# Allegro board SG2042_EVB_V2_0.brd (continued)
## Routing (per net, layer and track width the routed paths; a pad name or vN(x,y) marks a point on that pad's centre or on a via; arc(x,y) is an arc through that point) (continued)
DDR2_DM4_P: length 45.4
  TOP w0.173: U1.BJ4 v1(91.75,200.05)
  ART14 w0.122: v1(91.75,200.05) 91.53,199.83 91.53,199.69 91.28,199.44 88.08,199.44 87.48,198.84 87.13,198.84 87.1,198.81 87.07,198.81
  ART14 w0.135: J3.99 51.66,195.17 arc(51.75,194.98) 51.88,194.82 52.18,194.52 arc(52.6,194.24) 53.09,194.14 53.16,194.14 arc(53.67,194.25) 54.12,194.54 54.28,194.71 arc(54.6,194.92) 54.98,194.99 55.1,194.99 arc(55.58,195.09) 55.98,195.36 56.12,195.5 arc(56.5,195.76) 56.95,195.84 57.82,195.84 arc(58.37,195.95) 58.84,196.26 58.92,196.35 arc(59.3,196.61) 59.75,196.69 60.62,196.69 arc(61.07,196.61) 61.45,196.35 61.56,196.24 arc(62,195.95) 62.52,195.84 62.55,195.84 arc(63.07,195.95) 63.51,196.24 63.64,196.37 arc(64,196.61) 64.42,196.69 64.45,196.69 arc(64.87,196.61) 65.23,196.37 65.39,196.21 arc(65.8,195.94) 66.27,195.84 72.08,195.84 75.06,198.81 87.07,198.81
DDR2_DM5_N: length 49.2
  TOP w0.173: U1.BT3 v1(90.75,193.05)
  ART14 w0.122: 89.36,191.66 89.36,191.7 90.36,192.69 90.36,193.33 90.47,193.44 90.63,193.44 90.75,193.32 v1(90.75,193.05)
  ART14 w0.135: J3.111 52.15,185.67 arc(52.34,185.65) 52.52,185.64 53.12,185.64 arc(53.67,185.75) 54.14,186.06 54.25,186.17 arc(54.6,186.41) 55.02,186.49 55.05,186.49 arc(55.47,186.41) 55.83,186.17 55.94,186.06 arc(56.4,185.75) 56.95,185.64 57.82,185.64 arc(58.37,185.75) 58.84,186.06 58.92,186.15 arc(59.3,186.41) 59.75,186.49 60.62,186.49 arc(61.07,186.41) 61.45,186.15 61.56,186.04 arc(62,185.75) 62.52,185.64 62.55,185.64 arc(63.07,185.75) 63.51,186.04 63.64,186.17 arc(64,186.41) 64.42,186.49 64.45,186.49 arc(64.87,186.41) 65.23,186.17 65.39,186.01 arc(65.8,185.74) 66.27,185.64 68.33,185.64 68.62,185.93 68.62,186.83 68.75,186.96 69.38,186.96 69.51,186.83 69.51,185.93 69.8,185.64 70.98,185.64 71.97,186.64 71.97,187.04 71.56,187.46 71.56,187.65 72,188.09 72.19,188.09 72.6,187.68 73.01,187.68 75.35,190.02 87.72,190.02 89.36,191.66
DDR2_DM5_P: length 49.1
  TOP w0.173: U1.BR3 v1(90.75,194.05)
  ART14 w0.122: 89.18,191.85 89.22,191.85 90.14,192.77 90.14,193.41 90.39,193.66 90.55,193.66 90.75,193.85 v1(90.75,194.05)
  ART14 w0.135: 89.18,191.85 87.61,190.28 75.24,190.28 72.9,187.94 72.71,187.94 72.3,188.35 71.89,188.35 71.3,187.75 71.3,187.35 71.71,186.93 71.71,186.74 70.87,185.91 69.91,185.91 69.77,186.04 69.77,186.94 69.49,187.22 68.64,187.22 68.35,186.94 68.35,186.04 68.22,185.91 66.27,185.91 arc(65.9,185.98) 65.58,186.19 65.41,186.36 arc(64.97,186.65) 64.45,186.76 64.42,186.76 arc(63.9,186.65) 63.46,186.36 63.33,186.23 arc(62.97,185.99) 62.55,185.91 62.52,185.91 arc(62.1,185.99) 61.74,186.23 61.64,186.34 arc(61.17,186.65) 60.62,186.76 59.75,186.76 arc(59.2,186.65) 58.74,186.34 58.65,186.25 arc(58.27,185.99) 57.82,185.91 56.95,185.91 arc(56.5,185.99) 56.13,186.25 56.02,186.36 arc(55.57,186.65) 55.05,186.76 55.02,186.76 arc(54.5,186.65) 54.06,186.36 53.95,186.25 arc(53.57,185.99) 53.12,185.91 52.61,185.91 arc(52.47,185.95) 52.37,186.05 arc(52.35,186.22) 52.46,186.34 J3.110
DDR2_DM6_N: length 60.2
  TOP w0.173: U1.BJ8 v1(95.75,200.05)
  ART05 w0.112: v1(95.75,200.05) 95.45,199.75 95.45,199.68 95.45,199.68 95.21,199.44 88.33,199.44 88.07,199.7 87.31,199.7 87.3,199.69 87.27,199.69
  ART05 w0.117: 87.27,199.69 83.13,199.69 69.51,186.07 69.51,179.48 67.19,177.15 66.27,177.15 arc(65.8,177.25) 65.4,177.52 65.24,177.68 arc(64.88,177.92) 64.45,178 64.42,178 arc(64,177.92) 63.64,177.68 63.51,177.55 arc(63.07,177.26) 62.55,177.15 62.52,177.15 arc(62,177.26) 61.56,177.55 61.46,177.65 arc(61.07,177.91) 60.62,178 59.76,178 arc(59.3,177.91) 58.91,177.65 58.83,177.57 arc(58.37,177.26) 57.82,177.15 56.96,177.15 arc(56.5,177.06) 56.12,176.8 56.01,176.7 arc(55.57,176.41) 55.05,176.3 55.02,176.3 arc(54.5,176.41) 54.07,176.7 53.95,176.81 arc(53.56,177.07) 53.1,177.16 52.63,177.16 arc(52.49,177.12) 52.38,177.02 52.38,177.01 arc(52.36,176.83) 52.48,176.7 J3.122
DDR2_DM6_P: length 60.1
  TOP w0.173: U1.BJ7 v1(94.75,200.05)
  ART05 w0.112: 87.27,199.94 87.3,199.94 87.31,199.93 88.16,199.93 88.43,199.66 95.12,199.66 95.23,199.77 95.23,199.94 95.12,200.05 v1(94.75,200.05)
  ART05 w0.117: J3.121 52.18,177.39 arc(52.35,177.4) 52.51,177.41 53.1,177.41 arc(53.66,177.3) 54.12,176.99 54.24,176.87 arc(54.6,176.63) 55.02,176.55 55.05,176.55 arc(55.48,176.63) 55.84,176.87 55.94,176.98 arc(56.41,177.29) 56.96,177.4 57.82,177.4 arc(58.27,177.49) 58.66,177.75 58.74,177.83 arc(59.21,178.14) 59.76,178.25 60.62,178.25 arc(61.17,178.14) 61.63,177.83 61.74,177.72 arc(62.1,177.48) 62.52,177.4 62.55,177.4 arc(62.98,177.48) 63.34,177.72 63.46,177.85 arc(63.9,178.14) 64.42,178.25 64.45,178.25 arc(64.97,178.14) 65.41,177.85 65.57,177.69 arc(65.89,177.47) 66.27,177.4 67.08,177.4 69.26,179.58 69.26,186.17 83.03,199.94 87.27,199.94
DDR2_DM7_N: length 64.3
  TOP w0.173: U1.BT8 v1(95.75,193.05)
  ART05 w0.112: 95.46,191.6 95.46,191.63 95.45,191.64 95.45,192.1 95.36,192.19 95.36,193.26 95.48,193.38 95.64,193.38 95.75,193.27 v1(95.75,193.05)
  ART05 w0.117: J3.133 52.19,166.97 arc(52.34,166.96) 52.49,166.95 53.12,166.95 arc(53.67,167.06) 54.13,167.37 54.24,167.48 arc(54.6,167.72) 55.02,167.8 55.05,167.8 arc(55.48,167.72) 55.84,167.48 55.94,167.37 arc(56.41,167.06) 56.96,166.95 57.82,166.95 arc(58.37,167.06) 58.83,167.37 58.91,167.45 arc(59.3,167.71) 59.76,167.8 60.64,167.8 arc(61.07,167.72) 61.44,167.47 61.52,167.39 arc(61.97,167.09) 62.49,166.99 62.58,166.99 arc(63.11,167.09) 63.55,167.39 63.64,167.48 arc(64,167.72) 64.42,167.8 64.45,167.8 arc(64.88,167.72) 65.24,167.48 65.35,167.36 arc(65.81,167.06) 66.34,166.95 67.37,166.95 67.63,167.21 67.63,167.63 67.75,167.75 68.35,167.75 68.47,167.63 68.47,166.78 68.73,166.52 69.54,166.52 69.8,166.78 69.8,168.47 69.92,168.59 70.52,168.59 70.64,168.47 70.64,167.21 70.9,166.95 71.79,166.95 95.46,190.63 95.46,191.6
DDR2_DM7_P: length 64.3
  TOP w0.173: U1.BR8 v1(95.75,194.05)
  ART05 w0.112: 95.22,191.6 95.22,191.63 95.23,191.64 95.23,192.01 95.14,192.1 95.14,193.36 95.39,193.6 95.64,193.6 95.75,193.72 v1(95.75,194.05)
  ART05 w0.117: J3.132 52.46,167.65 arc(52.36,167.52) 52.38,167.36 52.39,167.34 arc(52.49,167.23) 52.62,167.2 53.12,167.2 arc(53.58,167.29) 53.96,167.55 54.07,167.65 arc(54.51,167.94) 55.02,168.05 55.05,168.05 arc(55.57,167.94) 56.01,167.65 56.12,167.55 arc(56.5,167.29) 56.96,167.2 57.82,167.2 arc(58.27,167.29) 58.66,167.55 58.74,167.63 arc(59.21,167.94) 59.76,168.05 60.64,168.05 arc(61.17,167.94) 61.61,167.65 61.69,167.56 arc(62.06,167.32) 62.49,167.23 62.58,167.23 arc(63.01,167.32) 63.38,167.56 63.46,167.65 arc(63.9,167.94) 64.42,168.05 64.45,168.05 arc(64.97,167.94) 65.41,167.65 65.52,167.54 arc(65.9,167.29) 66.34,167.2 67.27,167.2 67.39,167.31 67.39,167.74 67.65,168 68.45,168 68.71,167.74 68.71,166.88 68.83,166.77 69.44,166.77 69.55,166.88 69.55,168.57 69.81,168.83 70.62,168.83 70.88,168.57 70.88,167.31 71,167.2 71.69,167.2 95.22,190.73 95.22,191.6
DDR2_DQ0: length 99.6
  TOP w0.173: U1.AL4 v1(91.75,218.05)
  BOTTOM w0.173: v1(91.75,218.05) 91.25,218.55 91.25,224.27 90.97,224.55 90.04,224.55 89.54,224.05 88.6,224.05 87.85,224.8 87.85,235.76 87.68,235.93 86.91,235.93 86.73,236.1 86.73,236.54 86.91,236.71 87.5,236.71 87.67,236.88 87.67,237.31 87.5,237.49 86.91,237.49 86.73,237.66 86.73,238.09 86.91,238.26 87.5,238.26 87.67,238.44 87.67,238.87 87.5,239.04 86.91,239.04 86.73,239.21 86.73,239.64 86.91,239.82 87.5,239.82 87.67,239.99 87.67,240.42 87.5,240.59 86.91,240.59 86.73,240.77 86.73,263.05 67.1,282.68 66.4,282.68 arc(65.86,282.57) 65.4,282.26 65.32,282.18 arc(64.92,281.92) 64.45,281.82 64.42,281.82 arc(63.95,281.92) 63.55,282.18 63.42,282.32 arc(63.02,282.58) 62.55,282.68 62.52,282.68 arc(62.05,282.58) 61.65,282.32 61.57,282.24 arc(61.12,281.93) 60.58,281.82 59.8,281.82 arc(59.26,281.72) 58.8,281.41 58.78,281.39 arc(58.32,281.08) 57.78,280.98 57,280.98 arc(56.46,281.08) 56,281.39 55.92,281.47 arc(55.52,281.73) 55.06,281.82 55.02,281.82 arc(54.55,281.73) 54.15,281.47 54.08,281.39 arc(53.62,281.08) 53.08,280.98 J3.5
DDR2_DQ1: length 97
  TOP w0.173: U1.AL2 v1(89.75,218.05)
  BOTTOM w0.173: J3.150 60.58,280.13 arc(61.12,280.23) 61.57,280.54 61.65,280.62 arc(62.05,280.88) 62.52,280.98 62.55,280.98 arc(63.02,280.88) 63.42,280.62 63.55,280.48 arc(63.95,280.22) 64.42,280.12 64.45,280.12 arc(64.92,280.22) 65.32,280.48 65.4,280.56 arc(65.86,280.87) 66.4,280.98 67.7,280.98 85.96,262.72 85.96,235.05 86.13,234.88 86.9,234.88 87.07,234.7 87.07,234.27 86.9,234.1 86.13,234.1 85.96,233.93 85.96,233.49 86.13,233.32 86.9,233.32 87.07,233.15 87.07,232.72 86.9,232.54 86.13,232.54 85.96,232.37 85.96,231.94 86.13,231.77 86.9,231.77 87.07,231.59 87.07,231.16 86.9,230.99 86.13,230.99 85.96,230.82 85.96,230.39 86.13,230.21 86.9,230.21 87.07,230.04 87.07,229.61 86.9,229.44 86.13,229.44 85.96,229.26 85.96,228.83 86.13,228.66 86.9,228.66 87.07,228.49 87.07,228.05 86.9,227.88 86.13,227.88 85.96,227.71 85.96,227.28 86.13,227.1 86.9,227.1 87.07,226.93 87.07,226.5 86.9,226.33 86.13,226.33 85.96,226.15 85.96,225.58 87.99,223.55 89.99,223.55 90.25,223.29 U1.AL2 v1(89.75,218.05)
DDR2_DQ2: length 88.7
  TOP w0.173: U1.AK1 v1(88.75,219.05)
  ART14 w0.15: v1(88.75,219.05) 88.41,218.71 86.9,218.71 84.44,221.17 84.44,261.13 72.92,272.65 72.71,272.65 72.34,272.29 72.13,272.29 71.83,272.59 71.83,272.8 72.19,273.17 72.19,273.38 71.89,273.68 71.68,273.68 71.31,273.32 71.1,273.32 70.8,273.62 70.8,273.83 71.16,274.2 71.16,274.41 70.86,274.71 70.65,274.71 70.28,274.35 70.07,274.35 69.77,274.65 69.77,274.86 70.13,275.23 70.13,275.44 69.7,275.87 66.37,275.87 arc(65.85,275.98) 65.42,276.27 65.32,276.36 arc(64.92,276.63) 64.45,276.72 64.42,276.72 arc(63.95,276.63) 63.55,276.36 63.42,276.24 arc(63.02,275.97) 62.55,275.87 62.52,275.87 arc(62.05,275.97) 61.65,276.24 61.58,276.31 arc(61.12,276.62) 60.58,276.72 59.8,276.72 arc(59.26,276.62) 58.8,276.31 58.78,276.29 arc(58.32,275.98) 57.78,275.87 57,275.87 arc(56.46,275.77) 56,275.46 55.98,275.44 arc(55.52,275.13) 54.98,275.03 J3.12
DDR2_DQ3: length 88.9
  TOP w0.173: U1.AL1 v1(88.75,218.05)
  ART14 w0.15: v1(88.75,218.05) 88.62,218.18 86.5,218.18 83.78,220.89 83.78,260.86 79.41,265.23 78.48,266.15 78.27,266.15 77.89,265.78 77.68,265.78 77.38,266.08 77.38,266.29 77.76,266.67 77.76,266.88 77.45,267.18 77.24,267.18 76.87,266.8 76.65,266.8 76.35,267.11 76.35,267.32 76.73,267.7 76.73,267.91 76.43,268.21 76.21,268.21 75.84,267.83 75.62,267.83 75.32,268.14 75.32,268.35 75.7,268.73 75.7,268.94 75.4,269.24 75.18,269.24 74.81,268.86 74.6,268.86 74.29,269.17 74.29,269.38 74.67,269.76 74.67,269.97 74.37,270.27 74.16,270.27 73.78,269.89 73.57,269.89 73.26,270.2 73.26,270.41 73.64,270.78 73.64,271 73.34,271.3 73.13,271.3 72.75,270.92 72.54,270.92 69.28,274.17 66.34,274.17 arc(65.85,274.27) 65.44,274.55 65.06,274.92 arc(64.44,275.18) 63.81,274.92 63.42,274.54 arc(63.02,274.27) 62.55,274.17 62.52,274.17 arc(62.05,274.27) 61.65,274.54 61.58,274.61 arc(61.12,274.92) 60.57,275.03 59.8,275.03 arc(59.26,274.92) 58.8,274.61 58.78,274.59 arc(58.32,274.28) 57.78,274.17 55.19,274.17 J3.157
DDR2_DQ4: length 96.6
  TOP w0.173: U1.AG3 v1(90.75,222.05)
  ART14 w0.15: J3.3 53.08,282.68 arc(53.62,282.57) 54.08,282.26 54.15,282.19 arc(54.55,281.92) 55.02,281.82 55.05,281.82 arc(55.52,281.92) 55.92,282.19 56,282.26 arc(56.46,282.57) 57,282.68 57.84,282.68 arc(58.32,282.77) 58.73,283.04 58.75,283.06 arc(59.16,283.34) 59.64,283.43 60.73,283.43 arc(61.21,283.34) 61.62,283.06 61.65,283.04 arc(62.05,282.77) 62.52,282.68 62.55,282.68 arc(63.02,282.77) 63.42,283.04 63.55,283.16 arc(63.95,283.43) 64.42,283.52 64.45,283.52 arc(64.92,283.43) 65.32,283.16 65.47,283.02 arc(65.85,282.76) 66.3,282.68 70.38,282.68 76.63,276.42 76.63,276.21 75.8,275.39 75.8,275.17 76.11,274.87 76.32,274.87 77.08,275.63 77.29,275.63 77.6,275.33 77.6,275.12 76.83,274.36 76.83,274.15 77.14,273.84 77.35,273.84 78.11,274.6 78.32,274.6 78.62,274.3 78.62,274.09 77.86,273.33 77.86,273.12 88.27,262.71 88.27,222.81 88.52,222.55 90.25,222.55 v1(90.75,222.05)
DDR2_DQ5: length 97.6
  TOP w0.173: U1.AH4 v1(91.75,221.05)
  ART14 w0.15: J3.148 56.79,281.82 60.58,281.82 arc(61.12,281.72) 61.58,281.41 61.65,281.34 arc(62.05,281.07) 62.52,280.98 62.55,280.98 arc(63.02,281.07) 63.42,281.34 63.55,281.46 arc(63.95,281.73) 64.42,281.82 64.45,281.82 arc(64.92,281.73) 65.32,281.46 65.51,281.28 arc(65.84,281.05) 66.24,280.98 69.07,280.98 69.65,280.39 69.86,280.39 70.69,281.22 70.9,281.22 71.21,280.91 71.21,280.7 70.38,279.88 70.38,279.67 70.68,279.36 70.89,279.36 71.72,280.19 71.93,280.19 72.23,279.89 72.23,279.67 71.41,278.85 71.41,278.64 71.71,278.33 71.92,278.33 72.75,279.16 72.96,279.16 73.26,278.86 73.26,278.64 72.44,277.82 72.44,277.61 72.74,277.3 72.95,277.3 73.78,278.13 73.99,278.13 74.29,277.83 74.29,277.61 73.47,276.79 73.47,276.58 73.77,276.27 73.98,276.27 74.81,277.1 75.02,277.1 75.32,276.8 75.32,276.59 74.5,275.76 74.5,275.55 87.6,262.44 87.6,222.48 88.53,221.55 91.25,221.55 v1(91.75,221.05)
DDR2_DQ6: length 103.6
  TOP w0.173: U1.AG2 v1(89.75,222.05)
  BOTTOM w0.173: v1(89.75,222.05) 89.25,222.55 87.52,222.55 84.92,225.15 84.92,262.29 78.59,268.62 78.35,268.62 77.56,267.83 77.31,267.83 77.01,268.13 77.01,268.38 77.8,269.17 77.8,269.41 77.49,269.72 77.25,269.72 76.46,268.93 76.22,268.93 75.91,269.23 75.91,269.48 76.7,270.27 76.7,270.51 76.4,270.82 76.15,270.82 75.36,270.03 75.12,270.03 74.81,270.33 74.81,270.58 75.6,271.37 75.6,271.61 75.3,271.92 75.05,271.92 74.26,271.13 74.02,271.13 73.71,271.43 73.71,271.68 74.5,272.47 74.5,272.71 74.2,273.02 73.95,273.02 73.16,272.23 72.92,272.23 72.61,272.53 72.61,272.78 73.4,273.57 73.4,273.81 73.1,274.12 72.85,274.12 72.06,273.32 71.82,273.32 71.51,273.63 71.51,273.87 72.3,274.67 72.3,274.91 72,275.21 71.75,275.21 70.96,274.42 70.72,274.42 70.41,274.73 70.41,274.97 71.2,275.76 71.2,276.01 70.9,276.31 70.65,276.31 69.86,275.52 69.62,275.52 69.31,275.83 69.31,276.07 70.1,276.86 70.1,277.11 69.64,277.58 66.31,277.58 arc(65.85,277.48) 65.46,277.22 65.32,277.08 arc(64.92,276.82) 64.45,276.72 64.42,276.72 arc(63.95,276.82) 63.55,277.08 63.42,277.22 arc(63.02,277.48) 62.55,277.58 62.52,277.58 arc(62.05,277.48) 61.65,277.22 61.57,277.14 arc(61.12,276.83) 60.58,276.72 59.8,276.72 arc(59.26,276.83) 58.8,277.14 58.78,277.16 arc(58.32,277.47) 57.78,277.58 57,277.58 arc(56.46,277.47) 56,277.16 55.98,277.14 arc(55.52,276.83) 54.98,276.72 52.99,276.72 J3.10
DDR2_DQ7: length 103.5
  TOP w0.173: U1.AH2 v1(89.75,221.05)
  BOTTOM w0.173: J3.155 57.78,275.87 arc(58.32,275.77) 58.78,275.46 58.8,275.44 arc(59.26,275.13) 59.8,275.03 60.58,275.03 arc(61.12,275.13) 61.57,275.44 61.65,275.52 arc(62.05,275.78) 62.52,275.87 62.55,275.87 arc(63.02,275.78) 63.42,275.52 63.55,275.38 arc(63.95,275.12) 64.42,275.03 64.45,275.03 arc(64.92,275.12) 65.32,275.38 65.43,275.49 arc(65.85,275.78) 66.35,275.87 68.17,275.87 68.88,275.17 68.88,274.92 67.82,273.87 67.82,273.63 68.13,273.32 68.37,273.32 69.43,274.37 69.67,274.37 69.97,274.07 69.97,273.82 68.92,272.77 68.92,272.53 69.23,272.22 69.47,272.22 70.52,273.27 70.77,273.27 71.07,272.97 71.07,272.72 70.02,271.67 70.02,271.43 70.33,271.12 70.57,271.12 71.62,272.17 71.87,272.17 72.17,271.87 72.17,271.63 71.12,270.57 71.12,270.33 71.43,270.02 71.67,270.02 72.72,271.08 72.97,271.08 73.27,270.77 73.27,270.53 72.22,269.47 72.22,269.23 72.53,268.93 72.77,268.93 73.82,269.98 74.07,269.98 74.37,269.67 74.37,269.43 73.32,268.38 73.32,268.13 73.63,267.83 73.87,267.83 74.92,268.88 75.17,268.88 75.47,268.57 75.47,268.33 74.42,267.28 74.42,267.03 74.73,266.73 74.97,266.73 76.02,267.78 76.27,267.78 76.83,267.21 76.99,267.05 79.06,267.05 84.14,261.97 84.14,224.83 87.41,221.56 89.24,221.56 v1(89.75,221.05)
DDR2_DQ8: length 96.7
  TOP w0.173: U1.AN4 v1(91.75,216.05)
  BOTTOM w0.173: v1(91.75,216.05) 91.25,216.55 91.25,217.26 90.96,217.55 85.1,217.55 82.32,220.32 82.32,250.53 81.77,251.08 81.77,251.32 82.5,252.05 82.5,252.3 82.2,252.6 81.95,252.6 81.22,251.87 80.98,251.87 80.67,252.18 80.67,252.42 81.4,253.15 81.4,253.4 81.1,253.7 80.85,253.7 80.12,252.97 79.88,252.97 79.57,253.28 79.57,253.52 80.3,254.25 80.3,254.5 80,254.8 79.75,254.8 79.02,254.07 78.78,254.07 78.47,254.38 78.47,254.62 79.2,255.35 79.2,255.59 78.9,255.9 78.65,255.9 77.92,255.17 77.68,255.17 77.22,255.63 75.18,255.63 71.81,259 71.81,267.76 67.1,272.47 66.33,272.47 arc(65.85,272.38) 65.45,272.11 65.32,271.98 arc(64.92,271.72) 64.45,271.63 64.42,271.63 arc(63.95,271.72) 63.55,271.98 63.42,272.12 arc(63.02,272.38) 62.55,272.47 62.52,272.47 arc(62.05,272.38) 61.65,272.12 61.57,272.04 arc(61.12,271.73) 60.58,271.63 59.8,271.63 arc(59.26,271.73) 58.8,272.04 58.78,272.06 arc(58.32,272.37) 57.78,272.47 57,272.47 arc(56.46,272.37) 56,272.06 55.98,272.04 arc(55.52,271.73) 54.98,271.63 J3.16
DDR2_DQ9: length 94.6
  TOP w0.173: U1.AT4 v1(91.75,213.05)
  BOTTOM w0.173: J3.161 57.78,270.78 arc(58.32,270.67) 58.78,270.36 58.8,270.34 arc(59.26,270.03) 59.8,269.93 60.58,269.93 arc(61.12,270.03) 61.57,270.34 61.65,270.42 arc(62.05,270.68) 62.52,270.77 62.55,270.77 arc(63.02,270.68) 63.42,270.42 63.55,270.28 arc(63.95,270.02) 64.42,269.93 64.45,269.93 arc(64.92,270.02) 65.32,270.28 65.44,270.4 arc(65.85,270.68) 66.34,270.77 67.1,270.77 71.04,266.84 71.04,258.68 75.88,253.83 76.13,253.83 76.9,254.6 77.15,254.6 77.45,254.3 77.45,254.05 76.68,253.28 76.68,253.04 76.98,252.73 77.23,252.73 78,253.5 78.24,253.5 78.55,253.2 78.55,252.96 77.78,252.18 77.78,251.94 78.08,251.63 78.32,251.63 79.1,252.41 79.34,252.41 79.65,252.1 79.65,251.86 78.87,251.08 78.87,250.84 79.18,250.53 79.42,250.53 80.2,251.31 80.44,251.31 80.75,251 80.75,250.76 79.97,249.98 79.97,249.74 81.55,248.17 81.55,220 85,216.55 89.95,216.55 90.25,216.25 90.25,215.79 90.49,215.55 90.95,215.55 91.25,215.25 91.25,213.55 v1(91.75,213.05)
DDR2_DQ10: length 86.2
  TOP w0.173: U1.AT2 v1(89.75,213.05)
  ART14 w0.15: J3.23 53.08,265.68 arc(53.62,265.78) 54.08,266.09 54.15,266.16 arc(54.55,266.43) 55.02,266.52 55.05,266.52 arc(55.52,266.43) 55.92,266.16 56,266.09 arc(56.46,265.78) 57,265.68 57.78,265.68 arc(58.32,265.78) 58.78,266.09 58.8,266.11 arc(59.26,266.42) 59.8,266.52 60.58,266.52 arc(61.12,266.42) 61.58,266.11 61.6,266.09 arc(62.06,265.78) 62.6,265.68 62.67,265.68 arc(63.21,265.78) 63.67,266.09 63.81,266.23 arc(64.14,266.45) 64.52,266.52 64.55,266.52 arc(64.93,266.45) 65.25,266.23 65.54,265.95 arc(65.81,265.77) 66.13,265.7 67.09,265.7 68.31,264.48 68.31,257.54 69.04,256.82 69.04,256.6 68.53,256.09 68.53,255.88 68.83,255.58 69.04,255.58 69.55,256.09 69.76,256.09 70.06,255.79 70.06,255.57 69.56,255.07 69.56,254.85 69.86,254.55 70.07,254.55 70.58,255.06 70.79,255.06 78.97,246.88 78.97,218.9 84.15,213.72 87.55,213.72 87.74,213.53 89.27,213.53 v1(89.75,213.05)
DDR2_DQ11: length 85.7
  TOP w0.173: U1.AT1 v1(88.75,213.05)
  ART14 w0.15: v1(88.75,213.05) 88.74,213.06 83.87,213.06 78.31,218.63 78.31,246.61 76.37,248.54 76.16,248.54 75.56,247.94 75.35,247.94 75.05,248.24 75.05,248.46 75.65,249.06 75.65,249.27 75.34,249.57 75.13,249.57 74.53,248.97 74.32,248.97 74.02,249.27 74.02,249.49 74.62,250.09 74.62,250.3 74.31,250.6 74.1,250.6 73.5,250 73.29,250 72.99,250.3 72.99,250.52 73.59,251.12 73.59,251.33 73.29,251.63 73.07,251.63 72.47,251.03 72.26,251.03 71.96,251.33 71.96,251.54 72.56,252.14 72.56,252.36 72.26,252.66 72.04,252.66 71.44,252.06 71.23,252.06 70.93,252.36 70.93,252.57 71.53,253.17 71.53,253.39 71.23,253.69 71.02,253.69 70.41,253.09 70.2,253.09 67.65,255.64 67.65,263.41 67.09,263.98 66.26,263.98 arc(65.85,264.06) 65.49,264.29 65.32,264.46 arc(64.92,264.73) 64.45,264.82 64.42,264.82 arc(63.95,264.73) 63.55,264.46 63.42,264.34 arc(63.02,264.07) 62.55,263.98 62.52,263.98 arc(62.05,264.07) 61.65,264.34 61.58,264.41 arc(61.12,264.72) 60.57,264.83 J3.168
DDR2_DQ12: length 92.7
  TOP w0.173: U1.AM2 v1(89.75,217.05)
  ART14 w0.15: J3.14 54.98,273.33 arc(55.52,273.22) 55.98,272.91 56,272.89 arc(56.46,272.58) 57,272.48 57.78,272.48 arc(58.32,272.58) 58.78,272.89 58.8,272.91 arc(59.26,273.22) 59.8,273.33 60.57,273.33 arc(61.12,273.22) 61.58,272.91 61.65,272.84 arc(62.05,272.57) 62.52,272.47 62.55,272.47 arc(63.02,272.57) 63.42,272.84 63.55,272.96 arc(63.95,273.23) 64.42,273.33 64.45,273.33 arc(64.92,273.23) 65.32,272.96 65.53,272.76 arc(65.84,272.55) 66.22,272.47 68,272.47 72.14,268.34 72.14,259.12 76.07,255.19 77.85,255.19 78.3,254.74 78.51,254.74 79.16,255.38 79.37,255.38 79.67,255.08 79.67,254.86 79.03,254.22 79.03,254.01 79.33,253.71 79.54,253.71 80.18,254.35 80.4,254.35 80.7,254.05 80.7,253.84 80.06,253.19 80.06,252.98 80.36,252.68 80.57,252.68 81.21,253.32 81.43,253.32 81.73,253.02 81.73,252.81 81.09,252.16 81.09,251.95 81.39,251.65 81.6,251.65 82.24,252.29 82.46,252.29 82.76,251.99 82.76,251.78 82.12,251.14 82.12,250.92 82.79,250.25 82.79,220.48 85.73,217.54 89.26,217.54 v1(89.75,217.05)
DDR2_DQ13: length 93.4
  TOP w0.173: U1.AM3 v1(90.75,217.05)
  ART14 w0.15: v1(90.75,217.05) 90.25,216.55 88.53,216.55 88.19,216.88 85.46,216.88 82.13,220.21 82.13,248.19 81.32,249.01 81.32,249.22 82,249.9 82,250.11 81.7,250.41 81.48,250.41 80.8,249.73 80.59,249.73 80.29,250.03 80.29,250.25 80.97,250.92 80.97,251.14 80.67,251.44 80.45,251.44 79.78,250.76 79.56,250.76 79.26,251.06 79.26,251.28 79.94,251.95 79.94,252.17 79.64,252.47 79.42,252.47 78.75,251.79 78.53,251.79 78.23,252.09 78.23,252.3 78.91,252.98 78.91,253.2 78.61,253.5 78.4,253.5 77.72,252.82 77.51,252.82 77.2,253.12 77.2,253.33 77.88,254.01 77.88,254.22 77.58,254.53 77.37,254.53 76.69,253.85 76.48,253.85 71.48,258.85 71.48,268.07 68.77,270.77 66.29,270.77 arc(65.85,270.86) 65.48,271.11 65.32,271.26 arc(64.92,271.53) 64.45,271.63 64.42,271.63 arc(63.95,271.53) 63.55,271.26 63.42,271.14 arc(63.02,270.87) 62.55,270.77 62.52,270.77 arc(62.05,270.87) 61.65,271.14 61.58,271.21 arc(61.12,271.52) 60.57,271.63 59.8,271.63 arc(59.26,271.52) 58.8,271.21 58.78,271.19 arc(58.32,270.88) 57.78,270.78 57.26,270.78 arc(56.48,270.93) 55.81,271.38 55.52,271.66 arc(55.28,272.04) J3.159
DDR2_DQ14: length 99.5
  TOP w0.173: U1.AN2 v1(89.75,216.05)
  BOTTOM w0.173: v1(89.75,216.05) 89.25,215.55 84.53,215.55 80.51,219.57 80.51,247.74 79.8,248.45 79.55,248.45 78.82,247.72 78.57,247.72 78.27,248.02 78.27,248.27 79,249 79,249.24 78.7,249.55 78.45,249.55 77.72,248.81 77.47,248.81 77.17,249.12 77.17,249.36 77.9,250.1 77.9,250.34 77.6,250.65 77.35,250.65 76.62,249.91 76.37,249.91 76.07,250.22 76.07,250.46 76.8,251.2 76.8,251.44 76.5,251.75 76.25,251.75 75.52,251.01 75.27,251.01 74.97,251.32 74.97,251.56 75.7,252.3 75.7,252.54 75.4,252.85 75.15,252.85 74.42,252.11 74.18,252.11 73.87,252.42 73.87,252.66 74.6,253.4 74.6,253.64 74.3,253.95 74.06,253.95 73.32,253.21 73.08,253.21 72.77,253.52 72.77,253.76 73.51,254.5 73.51,254.74 73.2,255.05 72.96,255.05 72.22,254.31 71.98,254.31 71.67,254.62 71.67,254.86 72.41,255.6 72.41,255.84 72.1,256.15 71.86,256.15 71.12,255.41 70.88,255.41 70.57,255.72 70.57,255.96 71.31,256.69 71.31,256.94 68.75,259.49 68.75,264.01 67.09,265.68 66.3,265.68 arc(65.85,265.77) 65.46,266.02 65.32,266.17 arc(64.92,266.43) 64.45,266.52 64.42,266.52 arc(63.95,266.43) 63.55,266.17 63.42,266.03 arc(63.02,265.77) 62.55,265.68 62.52,265.68 arc(62.05,265.77) 61.65,266.03 61.57,266.11 arc(61.12,266.42) 60.58,266.52 59.8,266.52 arc(59.26,266.63) 58.8,266.94 58.78,266.96 arc(58.32,267.27) 57.78,267.37 57,267.37 arc(56.46,267.48) 56,267.79 55.92,267.87 arc(55.52,268.13) 55.06,268.23 55.02,268.23 arc(54.55,268.13) 54.15,267.87 54.08,267.79 arc(53.62,267.48) 53.08,267.38 J3.21
DDR2_DQ15: length 97.7
  TOP w0.173: U1.AR1 v1(88.75,214.05)
  BOTTOM w0.173: v1(88.75,214.05) 88.03,214.77 84.21,214.77 79.73,219.25 79.73,245.46 78.35,246.84 78.1,246.84 77.13,245.87 76.89,245.87 76.58,246.18 76.58,246.42 77.55,247.39 77.55,247.64 77.25,247.94 77,247.94 76.03,246.97 75.79,246.97 75.48,247.28 75.48,247.52 76.45,248.49 76.45,248.74 76.15,249.04 75.9,249.04 74.93,248.07 74.69,248.07 74.38,248.38 74.38,248.62 75.35,249.59 75.35,249.84 75.05,250.14 74.8,250.14 73.83,249.17 73.59,249.17 73.28,249.48 73.28,249.72 74.25,250.69 74.25,250.94 73.95,251.24 73.7,251.24 72.73,250.27 72.49,250.27 72.18,250.58 72.18,250.82 73.15,251.79 73.15,252.04 72.85,252.34 72.6,252.34 71.63,251.37 71.39,251.37 71.08,251.67 71.08,251.92 72.05,252.89 72.05,253.13 71.75,253.44 71.5,253.44 70.53,252.47 70.29,252.47 69.98,252.77 69.98,253.02 70.96,253.99 70.96,254.23 70.65,254.54 70.41,254.54 69.43,253.57 69.19,253.57 68.88,253.87 68.88,254.12 69.86,255.09 69.86,255.33 67.98,257.21 67.98,263.09 67.09,263.98 66.34,263.98 arc(65.85,264.07) 65.44,264.35 65.32,264.47 arc(64.92,264.73) 64.45,264.82 64.42,264.82 arc(63.95,264.73) 63.55,264.47 63.42,264.33 arc(63.02,264.07) 62.55,263.98 62.52,263.98 arc(62.05,264.07) 61.65,264.33 61.57,264.41 arc(61.12,264.72) 60.58,264.82 59.67,264.82 arc(58.58,265.04) 57.65,265.66 J3.166
